# Altium PCB LAB_B3_209_V2.PcbDoc (part 2 of 4)
Units mm, origin at the board's own origin, x right, y up, seen from the top; angles counter-clockwise.
Board outline 94.69 x 88.04 mm, 4 copper layers (L1 [TOP], L2[GND], L3[SIG], L4[BOT]), stack 1.527 mm thick; 372 components, 284 nets, 1235 pads, 485 vias.
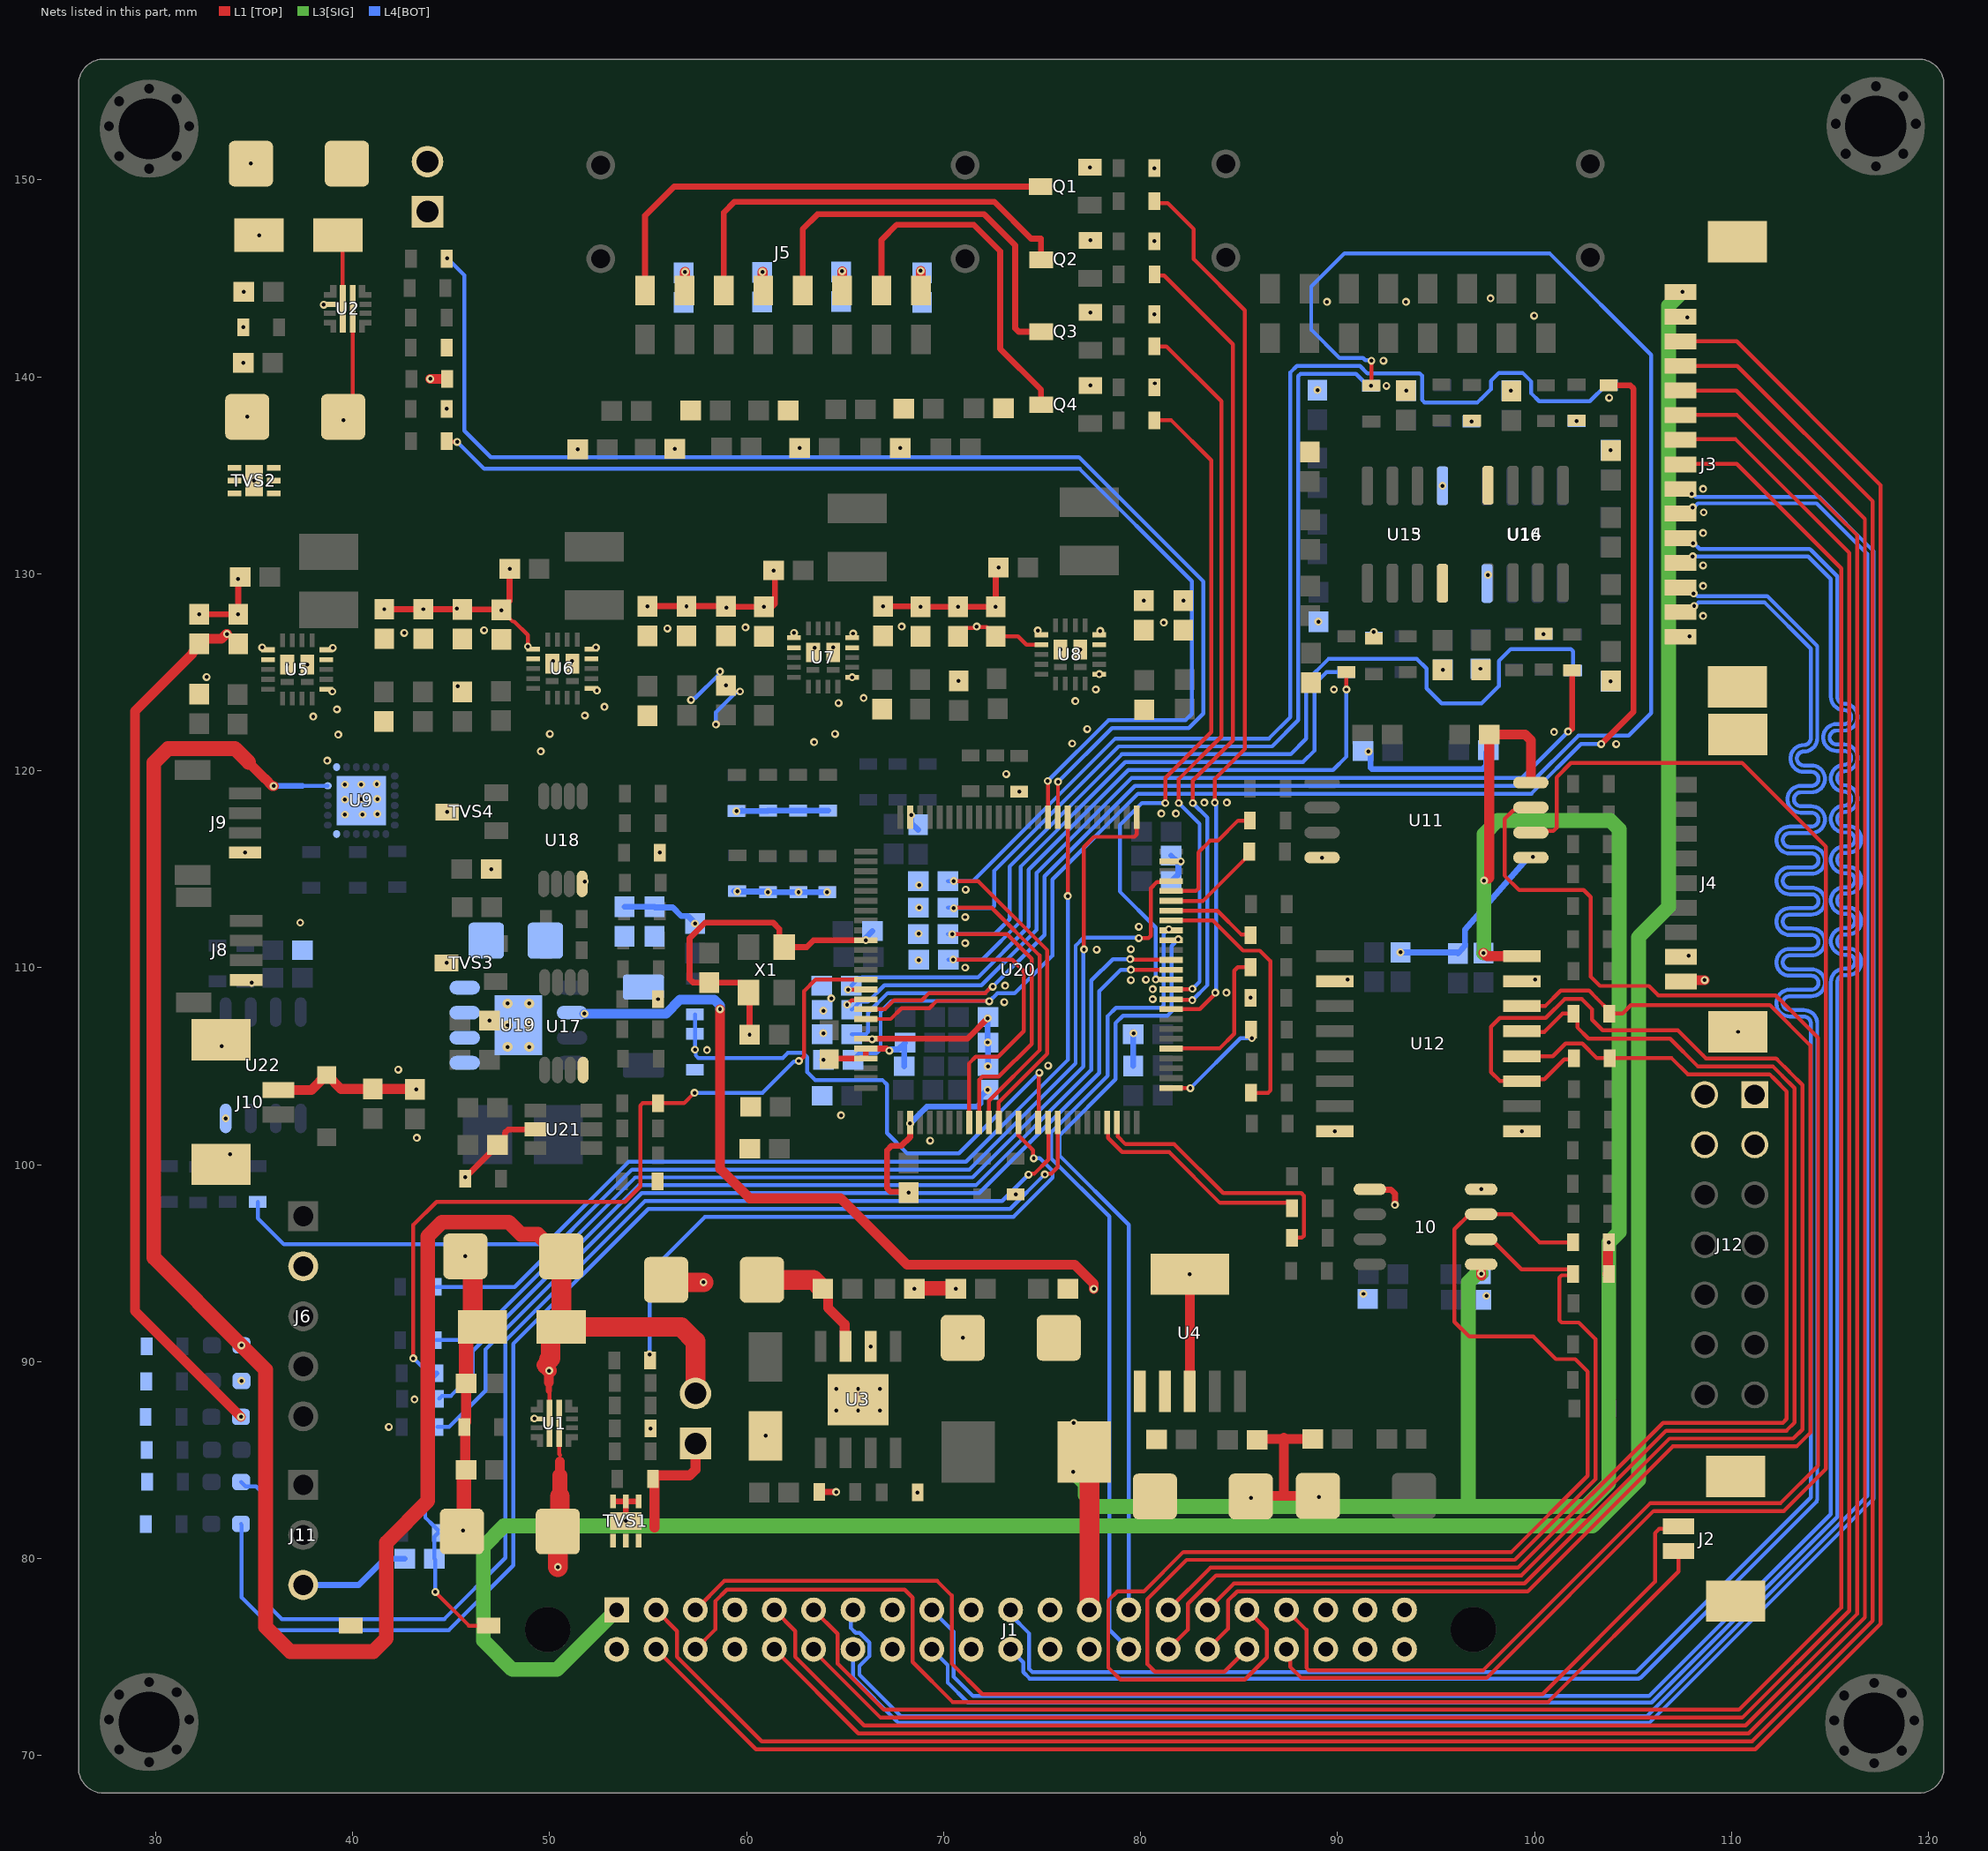
[diagram p4: the nets of this part, all layers, seen from the top]

## Part data
BT1: library part SW-SMD, "Switch", LatestRevisionDate=17-Jul-2002, LatestRevisionNote="Re-released for DXP Platform.", PackageReference=SPST-2, Published=24-Mar-1999, Publisher="Altium Limited"
C1 C2 C8 C9 C12 C13 C17 C18: library part CAP-TAN
C3 C4 C5 C6 C7 C10 C11 C14 C15 C16 C19 C20 C21 C22 C23 C24 C25 C26 C27 C28 C29 C30 C31 C32 C33 C34 C35 C36 C37 C38 C39 C40 C41 C42 C43 C44 C45 C46 C47 C48 C49 C50 C51 C52 C53 C54 C55 C56 C57 C58 C59 C60 C61 C62 C63 C64 C65 C66 C67 C68 C69 C70 C71 C72 C73 C74 C75 C76 C77 C78 C79 C80 C81 C82 C83 C84 C85 C86 C87 C88 C89 C90 C91 C92 C93 C94 C95 C96 C97 C98 C99 C100 C101 C102 C103 C104 C105 C106 C107 C108 C109 C110 C111 C112 C113 C114 C115 C116 C117 C118 C119 C120 C121 C122 C123 C124 C125 C126 C127 C128 C129 C130 C131 C132 C133 C134 C135 C136 C137 C138 C139 C140 C141 C142 C143 C144 C145 C146 C148 C149 C150 C151 C152 C153 C154 C155 C156: library part CAP-CER
D1 D2 D3: library part DIODE-SCHOTTKY
D4: library part D_SCHOTTKY_SMA, "Diode Schottky SMD SMA (DO-214AA)"
D5: library part "Diode S4", "Dán", Chung_Loai=Dán, Don_Vi=Con, Ma_Hang=MH005519, Ten_Linh_Kien="Diode S4 SOD123 ( 1N5819 SOD123)"
DS1 DS2 DS3 DS4 DS5 DS6: library part LED
J1 J4 J5 J7 J12: Package=None, Availability=Unavailable, Price=None
  J1: MP=M80-5114242
  J4: MP=532610971
  J5 J7: MP=M80-6661642
  J12: MP=ESQ-107-48-G-D
J2 J8 J9 J10: library part CON-PLG_4X1-50-RA-SMD, "4 Pins, 1 Row 1.25mm Pitch, right angle Connector, male", Alternate Part Number-1=NA, Case/Package=TH-CON, Crimp Part Number=65300113722DEC, Manufacturer=WE, Manufacturer Part Number=653104131822, Mating Part Number=653004113322, Supplier Part Number-1=653104131822, Supplier-1=WURTH
J3: "Conn Shrouded Header (4 Sides) HDR 15 POS 1.25mm Solder RA Side Entry SMD PicoBladeâ„¢ T/R", Package=None, Check_prices=https://www.snapeda.com/parts/532611571/Molex/view-part/?ref=eda, MF=Molex, MP=532611571, SnapEDA_Link=https://www.snapeda.com/parts/532611571/Molex/view-part/?ref=snap
J6: library part "JP 1x5 2.54 Cai Thang", "1X5 2.54", Chung_Loai=Cắm, Don_Vi=Con, Ma_Hang=MH004006, Ten_Linh_Kien="Jump Đơn Cái 2.54MM 1x20P Thẳng"
J11: library part "JP 1x3 2.54 Cai Thang", "1X3 2.54", Chung_Loai=Cắm, Don_Vi=Con, Ma_Hang=MH004006, Ten_Linh_Kien="Jump Đơn Cái 2.54MM 1x20P Thẳng"
JP1 JP2: library part "JP 1x2 2.54 Duc Thang", "Cắm", Chung_Loai=Cắm, Don_Vi=Con, Ma_Hang=MH000903, Ten_Linh_Kien="Jump Đơn Đực 2.54MM 1x40P Thẳng 11MM"
L1: Package="1608 Murata", Availability=Good, Check_prices=https://www.snapeda.com/parts/LQM18PZ2R2MFHD/Murata/view-part/1498702/?ref=eda, MF=Murata, MP=LQM18PZ2R2MFHD, Price=None, Purchase-URL=https://pricing.snapeda.com/search/part/LQM18PZ2R2MFHD/?ref=eda, SnapEDA_Link=https://www.snapeda.com/parts/LQM18PZ2R2MFHD/Murata/view-part/1498702/?ref=snap
L2 L3 L4 L5 L6 L7: library part INDUCT-SMD, Package="1608 Murata", Availability=Good, Check_prices=https://www.snapeda.com/parts/LQM18PZ2R2MFHD/Murata/view-part/1498702/?ref=eda, MF=Murata, MP=LQM18PZ2R2MFHD, Price=None, Purchase-URL=https://pricing.snapeda.com/search/part/LQM18PZ2R2MFHD/?ref=eda, SnapEDA_Link=https://www.snapeda.com/parts/LQM18PZ2R2MFHD/Murata/view-part/1498702/?ref=snap
Q1 Q2 Q3 Q4: library part 2N7002NXAKR, "MOSFET N-Channel Vds=60V Id=300mA with ESD Protection", Manufacturer=Nexperia, Manufacturer Part Number=2N7002NXAKR
R1 R2 R3 R4 R5 R6 R7 R8 R9 R10 R11 R12 R13 R14 R15 R16 R17 R18 R19 R20 R21 R22 R23 R24 R25 R26 R27 R28 R29 R30 R31 R32 R33 R34 R35 R36 R37 R38 R39 R40 R41 R42 R43 R44 R45 R46 R47 R48 R49 R50 R51 R52 R53 R54 R55 R56 R57 R58 R59 R60 R61 R62 R63 R64 R65 R66 R67 R68 R69 R70 R71 R72 R73 R74 R75 R76 R77 R78 R79 R80 R81 R82 R83 R84 R85 R86 R87 R88 R89 R90 R91 R92 R93 R94 R95 R96 R97 R98 R99 R100 R101 R103 R104 R105 R106 R107 R108 R109 R110 R111 R112 R113 R114 R115 R116 R117 R118 R119 R120 R121 R122 R123 R124 R125 R126 R127 R128 R129 R130 R131 R132 R133 R134 R135 R136 R137 R138 R139 R140 R141 R142 R143 R144 R145 R146 R147 R148 R149: library part RES-SMD
R102: library part RES_1206, "Resistor SMD 1206"
U1 U2: library part TPS259472ARPWR, "2.7-V–23-V, 5.5-A, 28-mΩ True Reverse Current Blocking eFuse with / Input Reverse Polarity Protection", Manufacturer="Texas Instruments", Manufacturer Part Number=TPS259472ARPWR
U13 U14 U15 U16: library part TL072CDT, "Dual JFET Low-Noise Operational Amplifiers", Manufacturer=STMicroelectronics, Manufacturer Part Number=TL072CDT
U20: "ARM Cortex-M4 32-bit MCU+FPU, 210 DMIPS, 1024 kB Flash, 192 kB Internal RAM, 82 I/Os, 100-pin LQFP, -40 to 105 degC, Tray", I/Os (High Current)=82, Manufacturer=STMicroelectronics, Operating Frequency(F) (Processor speed) (MHz)=168, Supplier Part Number 1=STM32F407VGT7-ND, Supply Voltage(Vcc) max (V)=3.6, Supply Voltage(Vcc) min (V)=1.8, ComponentLink1Description="Manufacturer URL", ComponentLink1URL=http://www.st.com/web/en/home.html, ComponentLink2Description=Datasheet, ComponentLink2URL=http://www.st.com/st-web-ui/static/active/en/resource/technical/document/datasheet/DM00037051.pdf, ComponentLink3Description="Package Specification", ComponentLink3URL=http://www.st.com/st-web-ui/static/active/en/resource/technical/document/data_brief/DM00071938.pdf, Core="ARM Cortex-M4", D/A Converter=2x12-bit, DatasheetVersion="Rev. 4", FLASH Size (Prog) (kB)=1024, Internal RAM Size (kB)=192, Mounting Technology="Surface Mount", PackageDescription="100-Pin Low Profile Quad Flat Package, 14 x 14 mm Body, 0.5 mm Pitch", PackageReference=LQFP100, PackageVersion="Rev. 1, 06/2013", Packing=Tray, PartNumber=STM32F407VGT7, Supplier 1=Digi-Key, Supplier 2=Farnell, Supplier 3=Newark, Supplier 4=Newark, Supplier 5=Mouser, Supplier Part Number 2=2333298, Supplier Part Number 3=99W9914, Supplier Part Number 4=48W6905, Supplier Part Number 5=511-STM32F407VGT7
X1: library part CRYSTAL-4POS, "Crystal, 8 MHz, -30 to 85 degC, 3.2 x 2.5 x 0.9 mm SMD"

## Via types
v1: diameter 0.4, hole 0.2, L1 [TOP] to L4[BOT], tented both sides, 297 vias
v2: diameter 0.4, hole 0.2, L1 [TOP] to L4[BOT], 66 vias
v3: diameter 0.4, hole 0.2, L1 [TOP] to L2[GND], tented both sides, 66 vias
v4: diameter 0.4, hole 0.2, L2[GND] to L4[BOT], tented both sides, 14 vias
v5: diameter 0.5, hole 0.2, L1 [TOP] to L4[BOT], tented both sides, 12 vias
v6: diameter 0.4, hole 0.2, L3[SIG] to L4[BOT], 10 vias
v7: diameter 0.4, hole 0.2, L1 [TOP] to L3[SIG], tented both sides, 9 vias
v8: diameter 0.4, hole 0.2, L1 [TOP] to L2[GND], 6 vias
v9: diameter 0.4, hole 0.2, L3[SIG] to L4[BOT], tented both sides, 3 vias
v10: diameter 0.4, hole 0.2, L2[GND] to L4[BOT], 2 vias

## Nets (pads, with @x,y where several pads share a name; then routed paths per layer and width w, separated by ;. In a path a pad name is that pad's centre, name@x,y a point inside that pad or via, vN(x,y) a via of type N, cw(c..) or ccw(c..) an arc to the next point about the centre after c; other vN are vias at no path point)
+5v: 10.1 C7.1 C8.1 C12.1 C16.2 C17.1 C71.2 C75.2 C79.2 C121.1 C154.1 D4.K DS2.A J1.13 JP2.1 L1.2 R9.2 R12.2 R42.2 R43.2 R102.1 TVS2.4 TVS2.5 TVS2.6 U2.5 U4.1 U4.2 U11.8 U12.16 U19.6 | length 156.6
  L1 [TOP] w0.2: v7(39.526,137.799) 39.997,138.27 U2.5@39.997,143.336
  L1 [TOP] w0.3: U2.5@39.997,143.336 U2.5@39.997,143.459 ; R9.2@63.691,83.388 v1(64.541,83.388)
  L1 [TOP] w0.5: v7(43.942,139.903) 43.944,139.905 44.753,139.905 44.754,139.907 R12.2@44.803,139.907 ; v1(58.649,107.899) 58.649,99.797 60.147,98.298 64.77,98.298 68.148,94.92 76.657,94.92 77.622,93.955 v1(77.622,93.701) ; L1.2@77.143,85.42 L1.2@77.4,85.164 ; 10.1@97.288,94.945 v1(97.288,94.474) 97.288,94.381 v1@97.307,94.361 ; v1(97.409,110.757) 97.575,110.592 U12.16@99.365,110.592 ; 97.663,114.529 97.702,114.567 C79.2@97.702,121.844 99.521,121.844 99.813,121.551 U11.8@99.813,119.405 ; R43.2@103.695,94.463 103.721,94.489 103.721,96.013 v1(103.771,96.063)
  L1 [TOP] w1: J1.13@77.4,77.4 L1.2@77.4,85.164
  L3[SIG] w0.75: v1(76.581,84.404) 77.197,83.788 77.197,83.217 77.763,82.652 96.635,82.652 ; v1(97.288,94.474) 97.074,94.474 96.635,94.035 96.635,82.652 ; v1(97.409,110.757) 97.434,110.783 97.434,116.789 98.12,117.475 103.853,117.475 104.292,117.036 104.292,96.584 v1(103.771,96.063) 103.771,83.831 102.592,82.652 96.635,82.652
  L4[BOT] w0.5: v9(51.765,107.671) 55.907,107.671 56.619,108.383 58.356,108.383 58.649,108.09 v1(58.649,107.899)
  other v1: 76.606,86.893 34.354,89.027 97.434,114.427
+5V_CAM: J1.1 J3.15 | length 134.7
  L3[SIG] w0.75: J1.1@53.4,77.4 50.371,74.371 48.108,74.371 46.634,75.844 46.634,80.62 47.676,81.661 102.945,81.661 105.283,83.999 105.283,111.557 106.807,113.081 106.807,143.612 v1(107.518,144.323)
+12V: C2.1 C6.2 C9.1 D1.2 DS1.A JP1.2 U1.6 U3.7 U9.23 | length 117.3
  L1 [TOP] w0.2: 49.962,88.519 49.987,88.494 U1.6@49.987,86.868
  L1 [TOP] w0.3: 49.962,88.519 49.962,88.951
  L1 [TOP] w0.5: 34.722,120.421 35.544,119.599 35.55,119.599 35.922,119.228 v2(35.992,119.228) ; 49.962,88.951 v1@49.962,89.51 ; C6.2@63.868,93.701 63.885,93.701 64.135,93.451 64.135,92.735 64.974,91.896 64.974,90.83 U3.7@65.024,90.78
  L1 [TOP] w0.75: 34.722,120.421 34.722,120.436 34.025,121.133 30.632,121.133 29.907,120.408 29.907,95.277 v1(34.354,90.83) 35.585,89.599 35.585,76.53 36.83,75.286 41.046,75.286 41.707,75.946 41.707,80.823 43.815,82.931 43.815,96.372 44.529,97.087 47.922,97.087 48.539,96.469 49.409,96.469 49.742,96.137 49.848,96.137 50.593,95.392 C2.1@50.593,95.352 ; 49.697,89.829 v1(49.98,89.545)
  L1 [TOP] w1: 49.962,90.094 50.052,90.184 50.052,91.42 50.402,91.77 D1.2@50.59,91.77 ; C2.1@50.593,95.352 50.592,95.35 50.592,91.772 D1.2@50.59,91.77 ; JP1.2@57.404,88.392 57.404,91.032 56.666,91.77 D1.2@50.59,91.77 ; C9.1@60.779,94.158 63.385,94.158 63.843,93.701 C6.2@63.868,93.701
  L4[BOT] w0.2: 37.439,119.241 U9.23@38.737,119.241
  L4[BOT] w0.3: v2(35.992,119.228) 36.005,119.241 37.439,119.241
+12V_EXP: C1.1 J1.19 J1.20 J1.21 J4.1 J12.02 J12.04 JP1.1 R2.1 TVS1.4 TVS1.5 TVS1.6 U1.5 | length 15
  L1 [TOP] w0.2: U1.5@50.487,86.868 50.487,85.301 50.521,85.268
  L1 [TOP] w0.5: C1.1@50.416,81.382 50.419,81.378 C1.1@50.797,81.001 ; 50.521,84.226 50.521,84.938 ; 55.321,81.583 55.321,84.226 57.111,84.226 57.404,84.519 JP1.1@57.404,85.852 ; J4.1@107.43,109.3 107.502,109.372 v1(108.636,109.372)
  L1 [TOP] w0.75: 50.521,83.16 50.521,84.226
  L1 [TOP] w1: C1.1@50.416,81.382 50.521,81.487 50.521,83.16 ; v1(50.419,79.578) 50.419,81.001 C1.1@50.419,81.378
CAM_CK_N: J1.7 J3.6 | length 118.4
  L4[BOT] w0.2: J1.7@65.4,77.4 65.299,77.299 65.299,76.471 65.541,76.229 65.743,76.229 66.229,75.743 66.229,75.057 65.727,74.555 65.727,74.105 67.833,71.999 105.705,71.999 116.891,83.185 116.891,131.008 114.317,133.582 108.291,133.582 v1@108.126,133.417
  other v1: 108.026,133.375
CAM_CK_P: J1.28 J3.7 | length 117.5
  L4[BOT] w0.2: J1.28@65.4,75.4 65.4,73.97 67.602,71.768 67.698,71.672 105.84,71.672 117.218,83.05 117.218,131.143 114.452,133.909 108.182,133.909 108.03,134.061 v1(107.975,134.061)
CAM_D0_N: J1.11 J3.2 | length 117.3
  L4[BOT] w0.2: J1.11@73.4,77.4 73.4,77.146 74.346,76.2 74.346,74.402 74.507,74.241 105.153,74.241 114.024,83.112 114.024,106.909 114.024,107.172 ccw(c113.67,107.172) 113.67,107.526 112.955,107.526 cw(c112.955,108.207) 112.955,108.888 114.059,108.888 ccw(c114.059,109.242) 114.059,109.596 112.955,109.596 cw(c112.955,110.277) 112.955,110.958 114.059,110.958 ccw(c114.059,111.312) 114.059,111.666 112.955,111.666 cw(c112.955,112.347) 112.955,113.028 114.059,113.028 ccw(c114.059,113.382) 114.059,113.736 112.955,113.736 cw(c112.955,114.417) 112.955,115.098 114.059,115.098 ccw(c114.059,115.452) 114.059,115.806 112.955,115.806 cw(c112.955,116.487) 112.955,117.168 114.059,117.168 ccw(c114.059,117.522) 114.059,117.876 113.518,117.876 cw(c113.518,118.557) 113.518,119.238 114.059,119.238 ccw(c114.059,119.592) 114.059,119.946 113.67,119.946 cw(c113.67,120.627) 113.67,121.308 ccw(c113.67,121.662) 114.024,121.662 114.024,122.707 114.024,126.204 111.683,128.544 108.322,128.544 108.149,128.372 v1(108.102,128.372)
CAM_D0_P: J1.32 J3.3 | length 116.8
  L4[BOT] w0.2: J1.32@73.4,75.4 73.4,75.378 74.046,74.732 74.046,74.239 74.371,73.914 105.288,73.914 105.329,73.955 105.375,73.955 114.31,82.89 114.31,82.936 114.351,82.977 114.351,106.909 114.351,107.172 ccw(c113.67,107.172) 113.67,107.853 112.955,107.853 cw(c112.955,108.207) 112.955,108.561 114.059,108.561 ccw(c114.059,109.242) 114.059,109.923 112.955,109.923 cw(c112.955,110.277) 112.955,110.631 114.059,110.631 ccw(c114.059,111.312) 114.059,111.993 112.955,111.993 cw(c112.955,112.347) 112.955,112.701 114.059,112.701 ccw(c114.059,113.382) 114.059,114.063 112.955,114.063 cw(c112.955,114.417) 112.955,114.771 114.059,114.771 ccw(c114.059,115.452) 114.059,116.133 112.955,116.133 cw(c112.955,116.487) 112.955,116.841 114.059,116.841 ccw(c114.059,117.522) 114.059,118.203 113.518,118.203 cw(c113.518,118.557) 113.518,118.911 114.059,118.911 ccw(c114.059,119.592) 114.059,120.273 113.67,120.273 cw(c113.67,120.627) 113.67,120.981 ccw(c113.67,121.662) 114.351,121.662 114.351,122.707 114.351,126.34 111.819,128.871 108.266,128.871 108.131,129.007 v1(108.077,129.007)
CAM_D1_N: J1.9 J3.4 | length 118.1
  L4[BOT] w0.2: J1.9@69.4,77.4 70.51,76.29 70.51,74.006 71.494,73.022 105.808,73.022 115.04,82.254 115.04,107.975 115.04,109.274 cw(c115.721,109.274) 115.721,109.955 115.91,109.955 ccw(c115.91,110.309) 115.91,110.663 115.721,110.663 cw(c115.721,111.344) 115.721,112.025 115.91,112.025 ccw(c115.91,112.379) 115.91,112.733 115.721,112.733 cw(c115.721,113.414) 115.721,114.095 115.91,114.095 ccw(c115.91,114.449) 115.91,114.803 115.721,114.803 cw(c115.721,115.484) 115.721,116.165 115.91,116.165 ccw(c115.91,116.519) 115.91,116.873 115.721,116.873 cw(c115.721,117.554) 115.721,118.235 ccw(c115.721,118.589) 115.721,118.943 cw(c115.721,119.624) 115.721,120.305 ccw(c115.721,120.659) 115.721,121.013 115.332,121.013 cw(c115.332,121.694) 115.332,122.375 115.721,122.375 ccw(c115.721,122.729) 115.721,123.083 cw(c115.721,123.764) 115.04,123.764 115.04,126.441 115.04,129.735 113.888,130.886 v1(108.026,130.886)
CAM_D1_P: J1.30 J3.5 | length 117.8
  L4[BOT] w0.2: J1.30@69.4,75.4 70.206,74.594 70.206,73.711 71.222,72.695 105.943,72.695 115.367,82.118 115.367,107.975 115.367,109.274 cw(c115.721,109.274) 115.721,109.628 115.91,109.628 ccw(c115.91,110.309) 115.91,110.99 115.721,110.99 cw(c115.721,111.344) 115.721,111.698 115.91,111.698 ccw(c115.91,112.379) 115.91,113.06 115.721,113.06 cw(c115.721,113.414) 115.721,113.768 115.91,113.768 ccw(c115.91,114.449) 115.91,115.13 115.721,115.13 cw(c115.721,115.484) 115.721,115.838 115.91,115.838 ccw(c115.91,116.519) 115.91,117.2 115.721,117.2 cw(c115.721,117.554) 115.721,117.908 ccw(c115.721,118.589) 115.721,119.27 cw(c115.721,119.624) 115.721,119.978 ccw(c115.721,120.659) 115.721,121.34 115.332,121.34 cw(c115.332,121.694) 115.332,122.048 115.721,122.048 ccw(c115.721,122.729) 115.721,123.41 cw(c115.721,123.764) 115.367,123.764 115.367,126.441 115.367,129.87 114.024,131.213 114.019,131.213 113.965,131.267 108.385,131.267 108.106,131.547 v1(108.052,131.547)
CAM_IO_0: J1.27 J3.9 | length 121.2
  L1 [TOP] w0.2: J1.27@63.4,75.4 63.4,75.328 66.801,71.927 110.541,71.927 115.97,77.355 115.97,131.07 110.208,136.832 J3.9@107.209,136.832
CAM_IO_1: J1.6 J3.8 | length 120.6
  L1 [TOP] w0.2: J1.6@63.4,77.4 64.618,76.182 64.618,74.676 66.967,72.327 110.376,72.327 115.57,77.521 115.57,130.277 110.264,135.582 J3.8@107.209,135.582
CAM_SCL: J1.5 J3.10 | length 127
  L1 [TOP] w0.2: J1.5@61.4,77.4 62.471,76.329 62.471,75.015 65.96,71.527 110.707,71.527 116.37,77.189 116.37,131.966 110.254,138.082 J3.10@107.209,138.082
CAM_SDA: J1.26 J3.11 | length 127.4
  L1 [TOP] w0.2: J1.26@61.4,75.4 65.673,71.127 110.873,71.127 116.77,77.024 116.77,132.785 110.245,139.31 J3.11@107.404,139.31
CAM_SEL_0: J1.24 J2.1 | length 60.1
  L1 [TOP] w0.2: J1.24@57.4,75.4 58.404,76.404 58.404,77.838 59.001,78.435 68.021,78.435 68.428,78.029 68.428,74.752 70.453,72.727 100.692,72.727 107.313,79.347 J2.1@107.313,80.396
CAM_SEL_1: J1.3 J2.2 | length 59.9
  L1 [TOP] w0.2: J1.3@57.4,77.4 58.867,78.867 69.672,78.867 70.409,78.13 70.409,74.676 71.958,73.127 100.406,73.127 106.121,78.842 106.121,81.305 106.33,81.514 107.181,81.514 J2.2@107.313,81.646
CM4_SCL: J1.2 J3.12 | length 137.3
  L1 [TOP] w0.2: J1.2@55.4,77.4 56.471,76.329 56.471,75.015 60.76,70.727 111.039,70.727 117.17,76.858 117.17,133.68 110.291,140.56 J3.12@107.404,140.56
CM4_SDA: J1.23 J3.13 | length 137.9
  L1 [TOP] w0.2: J1.23@55.4,75.4 60.473,70.327 111.204,70.327 117.57,76.692 117.57,134.5 110.26,141.81 J3.13@107.404,141.81
"EXP UART RX": R113.2 U20.64 | length 49.8
  L1 [TOP] w0.2: v1(79.477,110.439) 79.496,110.42 81.53,110.42 U20.64@81.55,110.4
  L4[BOT] w0.2: R113.2@44.391,88.125 44.535,88.269 44.988,88.269 46.1,89.382 46.1,90.548 54.51,98.958 71.639,98.958 77.502,104.821 77.502,109.353 78.588,110.439 v1(79.477,110.439)
"EXP UART TX": R114.2 U20.63 | length 50.5
  L1 [TOP] w0.2: v1(79.502,109.906) 79.505,109.903 81.547,109.903 U20.63@81.55,109.9
  L4[BOT] w0.2: R114.2@44.31,86.69 44.897,86.69 46.741,88.535 46.741,90.624 54.676,98.558 71.805,98.558 77.902,104.655 77.902,108.814 78.994,109.906 v1(79.502,109.906)
GND: 10.4 10.5 BT1.2 C1.2 C2.2 C3.1 C4.1 C8.2 C9.2 C10.1 C11.2 C12.2 C13.2 C14.1 C15.1 C17.2 C18.2 C20.1 C21.1 C22.2 C23.2 C24.2 C25.2 C26.2 C27.2 C28.2 C29.2 C30.1 C31.1 C32.1 C33.1 C37.2 C38.2 C42.1 C43.1 C44.1 C45.1 C46.2 C47.2 C48.2 C49.2 C50.2 C51.2 C52.2 C53.2 C54.1 C55.1 C56.1 C57.1 C61.2 C62.2 C66.1 C67.1 C68.1 C69.1 C70.2 C73.1 C74.1 C77.1 C78.1 C81.1 C82.1 C83.2 C84.2 C86.2 C88.2 C89.2 C90.2 C91.2 C92.2 C93.2 C96.2 C97.2 C98.2 C99.2 C100.2 C102.2 C104.2 C105.2 C106.2 C107.2 C108.2 C110.2 C112.2 C113.2 C114.2 C115.2 C116.2 C119.2 C120.2 C121.2 C122.2 C125.2 C128.2 C129.2 C130.2 C134.2 C135.2 C139.2 C140.2 C141.2 C142.2 C144.2 C145.2 C146.2 C148.2 C149.2 C150.2 C151.2 C152.2 C153.2 C154.2 C156.2 D1.1 D2.1 D3.1 J1.34 J1.40 J1.41 J1.42 J2.3 J2.4 J3.S1 J3.S2 J4.S1 J4.S2 J6.2 J8.1 J9.1 J10.3 J10.4 J11.3 Q1.2 Q2.2 Q3.2 Q4.2 R5.1 R6.2 R7.1 R10.1 R11.1 R16.1 R17.1 R18.1 R19.1 R20.1 R25.1 R26.1 R27.1 R28.1 R33.1 R34.1 R35.1 R36.1 R55.2 R62.1 R63.1 R64.1 R65.1 R70.2 R71.1 R76.1 R77.2 R82.2 R83.1 R88.1 R89.2 R98.1 R101.1 R104.1 R108.1 R109.1 R111.1 R112.2 R119.1 R138.2 TVS1.1 TVS1.2 TVS1.3 TVS1.7 TVS2.1 TVS2.2 TVS2.3 TVS2.7 TVS3.3 TVS4.3 U1.8 U2.8 U3.6 U3.9 U4.3 U4.6 U5.1 U5.5 U5.10 U5.21 U5.22 U6.1 U6.5 U6.10 U6.21 U6.22 U7.1 U7.5 U7.10 U7.21 U7.22 U8.1 U8.5 U8.10 U8.21 U8.22 U9.1 U9.18 U9.25 U11.4 U11.5 U12.2 U12.8 U12.9 U12.15 U13.4 U14.4 U15.4 U16.4 U17.4 U18.4 U19.1 U19.2 U19.9 U20.10 U20.20 U20.27 U20.74 U20.99 U21.2 U22.4 X1.2 X1.4 | length 158.1
  L1 [TOP] w0.2: v3(38.532,143.662) 38.543,143.673 38.836,143.673 U2.8@38.847,143.684 ; C26.2@47.549,128.182 v3(47.549,128.157) 48.126,127.579 48.206,127.579 48.895,126.891 v3(48.895,126.314)
  L1 [TOP] w0.3: v3(32.207,127.953) v3(34.188,127.953) v3(34.188,129.743) C30.1@34.29,129.845 ; BT1.2@39.7,76.6 BT1.2@39.9,76.6 ; v3(41.605,128.207) v3(43.586,128.207) 45.554,128.207 C27.2@45.568,128.194 47.537,128.194 C26.2@47.549,128.182 47.549,128.207 47.967,128.625 v3(47.967,130.251) ; R108.1@45.711,99.3 v3(45.711,99.375) 45.711,99.45 45.861,99.6 45.97,99.6 46.975,100.605 46.975,100.65 47.325,101 C148.2@47.35,101 47.375,101 47.725,101.35 47.725,101.614 47.901,101.789 U21.2@49.264,101.789 ; TVS1.3@53.223,82.91 TVS1.2@53.873,82.91 ; v3(53.873,81.915) TVS1.2@53.873,82.91 ; TVS1.1@54.523,82.91 TVS1.2@53.873,82.91 ; v3(54.966,128.36) v3(56.947,128.36) 58.915,128.36 v3(58.979,128.295) 59.018,128.334 v3(60.884,128.334) 60.897,128.321 61.267,128.321 61.443,128.497 61.443,130.111 v3(61.378,130.175) ; C152.2@60.083,100.736 C152.2@60.159,100.813 ; v1(60.15,106.6) 60.15,108.7 X1.4@60.1,108.75 60.1,108.85 59.7,109.25 C151.2@58.1,109.25 57.276,109.25 57.1,109.426 57.1,111.5 57.9,112.3 61.334,112.3 61.66,111.974 61.66,111.29 X1.2@61.9,111.05 63.05,111.05 63.4,111.4 v1(66.05,111.4) ; U20.20@66.05,106.4 71.201,106.4 v1(72.238,107.436) ; v3(66.929,128.346) 68.822,128.346 v3(68.834,128.334) v3(70.739,128.334) v3(72.644,128.334) 72.644,130.188 v3(72.783,130.327) ; v3(68.224,98.589) 68.186,98.628 67.308,98.628 67.132,98.804 67.132,100.738 67.358,100.964 67.859,100.964 68.3,101.405 U20.27@68.3,102.15 ; U20.74@81.55,115.4 v1(82.045,115.4) ; 10.5@91.638,98.755 91.663,98.73 92.71,98.73 92.913,98.527 v1(92.913,97.968)
  L1 [TOP] w0.5: C4.1@45.757,84.506 45.713,84.55 45.713,86.646 R7.1@45.669,86.69 45.669,86.84 45.757,86.928 C3.1@45.757,88.9 ; U4.3@82.499,88.49 v1(82.499,94.44) ; C17.2@85.62,83.185 87.274,83.185 ; C20.1@85.916,86.03 85.967,86.081 87.224,86.081 87.274,86.131 87.274,86.081 ; C21.1@88.734,86.081 87.274,86.081 ; C18.2@89.002,83.185 87.274,83.185 ; 87.274,83.185 87.274,86.081
  L1 [TOP] w0.75: C1.2@45.546,81.382 v1(45.599,81.435) 45.652,81.488 45.652,84.4 C4.1@45.757,84.506 ; C3.1@45.757,88.9 45.757,91.295 46.232,91.77 46.451,91.77 D1.1@46.59,91.77 ; v3(68.517,93.701) 68.543,93.726 70.599,93.726 C11.2@70.624,93.751
  L1 [TOP] w1: v1(45.723,95.352) 46.101,94.974 46.101,92.12 D1.1@46.451,91.77 ; C9.2@55.909,94.158 56.036,94.031 v1(57.81,94.031)
  L4[BOT] w0.2: v6(57.175,123.596) 57.23,123.596 57.323,123.69 57.389,123.69 58.61,124.911 58.61,125.006 v10(58.649,125.044) ; v6(58.445,122.352) 58.445,122.98 59.455,123.99 59.626,123.99 v6(59.665,124.028)
  L4[BOT] w0.3: J11.3@37.49,78.664 40.31,78.664 41.646,80 C149.2@42.65,80 ; C121.2@53.797,113.094 C154.2@55.321,113.094 55.347,113.069 56.248,113.069 56.692,112.625 57.029,112.625 57.379,112.275 v4(57.379,112.25) ; R33.1@59.362,113.894 R33.1@59.512,113.894 v4(59.525,113.881) 59.538,113.868 61.062,113.868 v4(61.087,113.843) v4(62.636,113.843) v4(64.084,113.843) ; R28.1@59.787,117.978 v4(59.487,117.958) 61.062,117.958 ccw(c61.062,117.983) R26.1@61.087,117.983 R34.1@62.611,117.983 R36.1@64.135,117.983 ; v1(66.05,111.4) 66.05,111.528 C145.2@66.384,111.862 ; v1(68.3,102.094) 68.843,102.638 69.156,102.95 71.699,102.95 71.875,103.126 71.875,103.45 72.225,103.8 v1(72.237,103.8) C140.2@72.25,103.8 ; v1(68.35,117.754) 68.357,117.747 68.357,117.356 C130.2@68.707,117.006 ; v1(72.238,106.212) v1(72.238,107.436) 72.238,107.488 C146.2@72.25,107.5 ; v1(72.25,105) C141.2@72.25,106.2 ; C129.2@79.578,106.741 v4(79.638,106.681) 79.629,106.672 C135.2@79.629,105.017 ; C134.2@81.547,114.402 81.572,114.402 81.922,114.752 81.922,115.212 81.993,115.282 81.993,115.348 v1(82.045,115.4) ; C144.2@81.55,115.7 81.85,115.4 C144.2@81.993,115.4 ; v4(91.567,120.98) 91.675,120.873 91.675,120.159 91.743,120.091 97.36,120.091 97.536,120.267 97.536,120.941 C81.1@97.651,121.056 ; v1(93.193,110.783) 96.063,110.783 C77.1@96.114,110.732 96.464,111.107 96.464,111.928 99.601,115.518 99.688,115.605 v1(99.924,115.621)
  other v1: 41.834,86.69 43.14,88.087 97.561,93.345 91.313,93.447 97.288,98.755 33.782,100.536 43.256,101.371 89.865,101.702 99.365,101.702 64.795,102.514 42.316,104.826 75.311,105.029 57.988,105.826 33.35,106.02 66.37,106.375 46.953,107.315 63.893,107.823 73.076,108.255 80.62,108.407 64.295,108.45 84.353,108.737 80.62,108.915 73.127,109.101 79.502,109.372 80.264,109.398 68.732,110.388 77.775,110.922 79.502,110.947 68.732,111.735 79.908,112.09 68.758,113.055 68.758,114.198 89.213,115.595 81.051,117.831 81.788,117.831 83.236,118.389 84.379,118.389 104.14,121.361 100.99,121.971 89.814,124.13 103.861,124.548 95.352,125.132 97.257,125.183 36.678,125.4 37.694,125.4 50.165,125.565 51.13,125.565 75.925,126.16 76.941,126.16 63.449,126.238 64.389,126.263 100.457,126.949 103.861,136.284 51.422,136.322 56.351,136.347 62.699,136.398 67.806,136.398 96.799,137.744 102.133,137.757 103.784,138.938 93.497,139.307 98.806,139.307 88.976,139.332 92.481,139.548 77.45,139.568 80.721,139.675 92.329,140.818 99.974,143.104 80.696,143.18 77.455,143.271 89.459,143.815 93.472,143.815 97.765,143.993 80.696,146.888 77.45,146.934 80.696,150.597 77.425,150.642
  other v2: 71.095,110.007 71.095,111.252 71.095,112.573 71.12,113.97 39.605,117.78 40.507,117.78 41.25,117.805 39.605,118.542 40.437,118.567 41.25,118.567 39.605,119.304 40.437,119.304 41.224,119.329 73.177,119.837 38.71,120.523 49.55,120.994 76.53,121.387 63.424,121.463 39.268,121.844 50.013,121.869 64.491,121.869 77.292,122.123 37.998,122.758 51.791,122.809 39.202,123.122 52.781,123.254 64.668,123.444 76.683,123.546 65.938,123.698 77.724,124.13
  other v3: 85.598,83.083 89.052,83.134 68.682,83.363 60.96,86.24 55.13,86.614 49.228,87.118 66.294,90.78 70.971,91.211 70.624,93.701 73.66,98.489 55.499,108.407 85.586,108.483 90.5,109.398 100.025,109.398 44.769,110.246 51.775,114.386 47.029,115.011 34.544,115.849 55.601,115.849 44.8,117.912 73.838,118.948 38.964,124.028 52.4,124.079 65.356,124.755 77.908,124.906 38.989,126.238 35.408,126.263 52.349,126.263 65.405,126.975 62.408,127 77.953,127.102 74.778,127.127 45.288,128.245 80.162,128.639 82.169,128.639 34.997,134.732 34.649,137.973 44.765,138.383 34.439,140.72 34.453,142.523 34.465,144.326 35.247,147.197 34.837,150.829
  other v4: 33.553,102.354 63.893,105.334 63.893,106.675 89.027,127.571 97.638,129.946 95.326,134.474
  other v5: 64.559,87.53 65.659,87.53 66.759,87.53 64.559,88.63 65.659,88.63 66.759,88.63 47.862,105.986 48.962,105.986 47.862,107.086 48.962,107.086 47.862,108.186 48.962,108.186
  other v6: 69.317,101.219
  other v8: 110.33,106.75 34.874,109.245 45.339,124.308 58.953,124.333 70.764,124.575 32.588,124.765
  other v9: 91.839,127.051
  other v10: 37.338,112.293
GND_12_EXP: J4.2 J12.01 J12.03
  other v1: 107.823,110.617
GND_CAM: J1.4 J1.8 J1.10 J1.12 J1.22 J1.25 J1.29 J1.31 J1.33 J3.1 J3.14
  other v1: 107.874,126.822 108.56,127.864 108.56,129.388 108.56,130.429 108.56,132.08 108.585,133.121 108.56,134.315 107.747,143.027
HEATER_1_A: C13.1 C22.1 C23.1 C24.1 C25.1 C26.1 C27.1 C28.1 C29.1 C46.1 C47.1 C48.1 C49.1 C50.1 C51.1 C52.1 C53.1 C83.1 C84.1 C122.1 C139.1 D3.2 DS3.A J5.10 J5.12 J5.14 J5.16 JP2.2 U2.6 U5.4 U5.11 U6.4 U6.11 U7.4 U7.11 U8.4 U8.11 | length 57
  L1 [TOP] w0.2: D3.2@39.247,147.197 39.497,146.946 U2.6@39.497,143.459 ; C50.1@70.688,126.834 71.113,127.259 71.554,127.259 71.625,127.33 v1(71.679,127.33) 71.71,127.299 72.179,127.299 72.219,127.259 72.244,127.259 72.644,126.859 C51.1@72.644,126.834 73.775,126.834 74.203,126.406 U8.11@74.958,126.406
  L1 [TOP] w0.5: v1(33.619,126.949) 33.592,126.949 33.343,126.701 32.557,126.701 32.429,126.573 32.429,126.56 31.857,125.988 31.857,125.938 28.956,123.037 28.956,92.571 v1(34.329,87.198) ; J5.10@56.845,144.399 56.871,144.425 v1(56.871,145.339) ; v1(60.808,145.339) 60.808,144.436 J5.12@60.845,144.399 ; J5.14@64.845,144.399 64.846,144.401 v1(64.846,145.364) ; v1(68.834,145.39) 68.834,144.41 J5.16@68.845,144.399
  other v1: 42.621,127 46.672,127.139 55.982,127.229 59.944,127.279 67.869,127.33 81.178,127.533
HEATER_1_B: J5.9 Q1.3 | length 24.5
  L1 [TOP] w0.3: J5.9@54.845,144.399 54.845,148.19 56.317,149.662 Q1.3@74.925,149.662
HEATER_2_B: J5.11 Q2.3 | length 22.1
  L1 [TOP] w0.3: J5.11@58.845,144.399 58.845,148.354 59.385,148.895 72.568,148.895 74.442,147.021 74.95,147.021 Q2.3@74.95,145.954
HEATER_3_B: J5.13 Q3.3 | length 20.9
  L1 [TOP] w0.3: J5.13@62.845,144.399 62.845,147.503 63.602,148.26 72.06,148.26 73.635,146.685 73.635,142.467 73.81,142.291 Q3.3@75.386,142.291
HEATER_4_B: J5.15 Q4.3 | length 18.1
  L1 [TOP] w0.3: J5.15@66.845,144.399 66.845,146.956 67.615,147.726 71.526,147.726 72.873,146.38 72.873,141.427 74.95,139.35 Q4.3@74.95,138.588
IR_LED_P: C123.1 C124.1 D5.2 J10.1 R102.2 U19.3 U19.4 | length 7.5
  L1 [TOP] w0.2: D5.2@38.659,104.547 D5.2@38.684,104.547 D5.2@38.709,104.547 ; C124.1@43.129,103.849 C124.1@43.155,103.823
  L1 [TOP] w0.5: J10.1@36.225,103.8 37.912,103.8 D5.2@38.659,104.547 ; D5.2@38.709,104.547 39.407,103.849 C123.1@41.021,103.849 C124.1@43.129,103.849
  other v1: 43.231,103.835
ISO_CANH: J1.18 U11.7 | length 81.6
  L1 [TOP] w0.2: J1.18@87.4,77.4 88.417,76.383 88.417,74.457 88.535,74.339 97.396,74.339 105.882,82.826 112.493,82.826 114.396,84.728 114.396,106.443 112.736,108.102 112.239,108.599 106.285,108.599 105.804,109.08 103.315,109.08 102.845,109.55 102.845,113.589 102.489,113.944 99.212,113.944 98.476,114.681 98.476,117.551 98.912,117.988 98.958,117.988 99.105,118.135 U11.7@99.813,118.135
ISO_CANL: J1.39 U11.6 | length 84.1
  L1 [TOP] w0.2: J1.39@87.4,75.4 87.602,75.198 87.602,74.502 88.165,73.939 97.561,73.939 106.045,82.423 112.656,82.423 114.796,84.563 114.796,116.141 110.541,120.396 101.848,120.396 101.117,119.665 101.117,117.108 100.952,116.942 99.865,116.942 U11.6@99.801,116.878
ISO_RS485_R+: J1.37 R46.1 U12.14 | length 72.2
  L1 [TOP] w0.2: J1.37@83.4,75.4 84.43,76.43 84.43,77.864 84.906,78.34 99.657,78.34 107.016,85.7 113.302,85.7 113.996,86.393 113.996,106.058 111.954,108.1 104.893,108.1 104.463,107.671 R46.1@103.784,107.671 103.784,107.821 103.151,108.454 103.151,108.456 102.768,108.839 101.321,108.839 100.533,108.052 U12.14@99.365,108.052
ISO_RS485_R-: J1.36 R46.2 U12.13 | length 70.5
  L1 [TOP] w0.2: J1.36@81.4,75.4 82.398,76.398 82.398,77.711 83.826,79.14 99.325,79.14 106.685,86.5 112.788,86.5 113.196,86.907 113.196,103.891 112.561,104.526 112.561,104.531 112.092,105 108.284,105 106.883,106.401 102.743,106.401 102.169,106.975 102.169,107.47 R46.2@101.969,107.67 101.422,107.67 100.498,106.746 99.635,106.746 99.518,106.629 U12.13@99.365,106.782
ISO_RS485_T+: J1.16 R53.2 U12.11 | length 77.2
  L1 [TOP] w0.2: J1.16@83.4,77.4 84.74,78.74 99.491,78.74 106.85,86.1 113.136,86.1 113.596,86.559 113.596,104.057 112.961,104.692 112.961,104.696 112.316,105.341 112.312,105.341 112.253,105.4 108.705,105.4 108.53,105.576 107.273,106.832 103.448,106.832 102.921,107.36 102.921,107.893 102.393,108.42 101.537,108.42 100.568,107.452 98.231,107.452 97.79,107.01 97.79,104.704 98.232,104.262 99.345,104.262 U12.11@99.365,104.242 99.461,104.337 100.498,104.337 101.511,105.35 101.934,105.35 R53.2@101.994,105.41
ISO_RS485_T-: J1.15 R53.1 U12.12 | length 66.8
  L1 [TOP] w0.2: J1.15@81.4,77.4 83.54,79.54 99.159,79.54 106.519,86.9 112.605,86.9 112.796,87.091 112.796,103.726 112.161,104.36 112.161,104.365 111.929,104.597 107.772,104.597 106.959,105.41 R53.1@103.81,105.41 103.168,105.41 102.418,106.16 101.57,106.16 100.921,105.512 U12.12@99.365,105.512
ISO_SCL: 10.3 J1.17 R42.1 | length 66.7
  L1 [TOP] w0.2: J1.17@85.4,77.4 86.411,76.389 86.411,74.981 85.293,73.863 78.969,73.863 78.359,74.473 78.359,77.876 78.812,78.329 80.158,78.329 82.169,80.34 98.828,80.34 102.692,84.204 102.692,89.503 102.064,90.131 101.08,90.131 99.936,91.275 96.685,91.275 95.936,92.024 95.936,96.723 96.698,97.485 10.3@97.288,97.485 98.831,97.485 100.254,96.063 R42.1@101.956,96.063
ISO_SDA: 10.2 J1.38 R43.1 | length 51.9
  L1 [TOP] w0.2: J1.38@85.4,75.4 84.263,74.263 80.728,74.263 80.34,74.651 80.34,77.946 82.335,79.94 98.994,79.94 103.092,84.039 103.092,84.906 103.092,91.142 102.243,91.991 101.37,91.991 101.252,92.108 101.252,94.269 101.37,94.386 101.8,94.386 101.93,94.517 101.756,94.691 99.337,94.691 97.813,96.215 10.2@97.288,96.215
"LED B": DS6.A U20.42 | length 64.5
  L1 [TOP] w0.2: v1(75.137,99.514) 75.175,99.552 75.473,99.552 75.8,99.879 U20.42@75.8,102.15
  L4[BOT] w0.2: DS6.A@34.329,81.763 34.369,81.723 34.369,78.026 36.017,76.378 44.882,76.378 48.162,79.658 48.162,90.913 55.007,97.758 73.381,97.758 v1(75.137,99.514)
"LED G": DS5.A U20.41 | length 65.1
  L1 [TOP] w0.2: v1(74.311,99.501) 74.349,99.539 74.597,99.539 75.318,100.261 75.318,102.132 U20.41@75.3,102.15
  L4[BOT] w0.2: DS5.A@34.341,83.896 34.562,83.675 35.096,83.675 35.484,83.287 35.484,77.851 36.398,76.937 44.653,76.937 47.752,80.035 47.752,91.068 54.842,98.158 72.968,98.158 v1(74.311,99.501)
"MCU NRST": BT1.1 C149.1 R105.1 R110.2 R117.2 U20.14 | length 55.8
  L1 [TOP] w0.2: v1(43.078,90.17) 43.078,96.942 44.256,98.12 53.82,98.12 54.6,98.9 54.6,103.007 54.717,103.124 R105.1@55.499,103.124 56.82,103.124 v1(57.353,103.657) ; v1(44.196,78.308) 45.904,76.6 BT1.1@46.9,76.6 ; v1(62.657,105.272) 62.688,105.272 62.916,105.5 62.916,108.814 63.502,109.4 U20.14@66.05,109.4
  L4[BOT] w0.2: v1(43.078,90.17) 43.103,90.17 43.827,89.446 44.272,89.446 R117.2@44.31,89.408 43.688,88.786 43.688,82.089 44.127,81.65 R110.2@44.327,81.45 ; v1(44.196,78.308) 44.196,79.954 C149.1@44.15,80 44.15,81.123 R110.2@44.327,81.3 ; v1(57.353,103.657) 60.808,103.657 62.397,105.247 62.632,105.247 v1(62.657,105.272)
"MCU SWCLK": R116.2 U20.76 | length 53.6
  L1 [TOP] w0.2: v1@77.14,110.922 77.114,110.947 77.114,116.129 77.636,116.65 79.683,116.65 79.8,116.767 U20.76@79.8,117.65
  L4[BOT] w0.2: R116.2@44.227,91.1 46.086,91.1 54.345,99.358 71.474,99.358 77.102,104.986 77.102,110.897 v1@77.14,110.934
  other v1: 77.127,110.934
"MCU SWDIO": R115.2 U20.72 | length 50.8
  L1 [TOP] w0.2: v1(79.908,111.506) 80.401,111.506 80.518,111.623 80.518,114.042 80.826,114.35 81.5,114.35 U20.72@81.55,114.4
  L4[BOT] w0.2: R115.2@44.227,93.8 48.221,93.8 54.179,99.758 71.308,99.758 76.702,105.152 76.702,111.119 77.114,111.531 79.883,111.531 v1(79.908,111.506)
"MCU VDDA": C131.1 C133.1 L7.2 U20.21 U20.22 | length 5.7
  L1 [TOP] w0.3: L7.2@64.2,105.365 64.235,105.4 U20.22@66.05,105.4 U20.21@66.05,105.9 67.111,105.9 67.219,105.792 v1(67.246,105.792)
  L4[BOT] w0.3: v1(67.246,105.792) 67.265,105.811 67.292,105.811 67.331,105.85 67.7,105.85 C131.1@68.05,106.2 ; C133.1@68,105 C131.1@68,106.15
MCU_ADC_TEMP1: C92.1 R66.1 U20.15 | length 36.9
  L1 [TOP] w0.2: v1(65.15,108.889) 66.039,108.889 U20.15@66.05,108.9 ; v1@90.424,124.104 v1(90.449,124.13) R66.1@90.449,125.019
  L4[BOT] w0.2: C92.1@65.317,109.093 65.717,109.493 65.834,109.493 65.859,109.518 71.748,109.518 74.32,112.09 74.32,114.787 74.32,114.981 79.38,120.04 89.764,120.04 90.449,120.726 v1(90.449,124.13)
MCU_ADC_TEMP2: C98.1 R72.2 U20.16 | length 48.2
  L1 [TOP] w0.2: v1(65.1,108.128) 65.104,108.128 65.326,108.35 66,108.35 U20.16@66.05,108.4
  L1 [TOP] w0.3: v1(101.704,121.994) 101.731,121.994 101.862,122.125 101.905,122.125 R72.2@101.905,125.108
  L4[BOT] w0.2: C98.1@65.342,107.874 65.742,108.274 66.154,108.274 66.998,109.118 71.487,109.118 71.914,109.118 74.72,111.925 74.72,114.622 74.72,114.815 79.546,119.64 99.35,119.64 v1(101.704,121.994)
MCU_ADC_TEMP3: C91.1 R67.2 U20.17 | length 102
  L1 [TOP] w0.2: U20.17@66.05,107.9 67.028,107.9 67.478,108.35 68.898,108.35 69.266,108.718 72.113,108.718 72.437,109.042 v1(72.492,109.042) ; R67.2@91.719,139.56 v1(91.719,140.818)
  L4[BOT] w0.2: C91.1@65.342,106.629 66.05,106.629 66.167,106.746 66.167,107.722 67.164,108.718 72.113,108.718 72.437,109.042 v1(72.492,109.042) 75.12,111.671 75.12,114.456 75.12,114.649 79.712,119.24 99.676,119.24 102.231,121.795 104.777,121.795 105.918,122.937 105.918,141.12 100.759,146.279 90.348,146.279 88.662,144.592 88.662,142.402 90.097,140.967 91.289,140.967 91.4,140.856 91.681,140.856 v1(91.719,140.818)
MCU_ADC_TEMP4: C100.1 R73.1 U20.18 | length 74.7
  L1 [TOP] w0.2: U20.18@66.05,107.4 67.314,107.4 67.864,107.95 69.28,107.95 69.648,108.318 72.301,108.318 v1(72.319,108.3)
  L1 [TOP] w0.3: v1(103.378,121.361) 105.029,123.012 105.029,139.397 104.853,139.573 R73.1@103.759,139.573
  L4[BOT] w0.2: C100.1@65.393,105.334 65.717,105.658 66.592,105.658 66.802,105.867 66.802,107.772 67.348,108.318 72.301,108.318 v1(72.319,108.3) 72.72,108.701 73.598,108.701 75.52,110.623 75.52,114.483 79.877,118.84 99.841,118.84 102.362,121.361 v1(103.378,121.361)
MCU_ADC_TEMP5: C106.1 R78.2 U20.33 | length 43.1
  L1 [TOP] w0.2: v1(70.485,110.414) 73.482,110.414 74.066,109.83 74.066,106.782 72.772,105.487 71.629,105.487 71.3,105.158 U20.33@71.3,102.15
  L4[BOT] w0.2: C106.1@70.244,110.414 71.958,110.414 73.92,112.376 73.92,114.953 73.92,115.146 79.215,120.44 88.24,120.44 88.837,121.037 88.837,124.415 89.428,125.006 R78.2@90.424,125.006
MCU_ADC_TEMP6: C114.1 R84.1 U20.34 | length 59.7
  L1 [TOP] w0.2: v1(70.434,111.709) 73.22,111.709 74.466,110.462 74.466,106.14 72.796,104.47 71.958,104.47 71.8,104.312 U20.34@71.8,102.15
  L4[BOT] w0.2: C114.1@70.219,111.709 v1(70.434,111.709) 72.593,111.709 73.355,112.471 73.355,115.147 79.049,120.84 87.617,120.84 88.405,121.628 88.405,124.549 89.535,125.679 94.025,125.679 94.513,125.191 94.513,124.181 95.275,123.419 97.307,123.419 98.183,124.294 98.183,125.57 98.8,126.187 101.838,126.187 101.956,126.07 R84.1@101.956,125.095
MCU_ADC_TEMP7: C108.1 R80.1 U20.35 | length 59.2
  L1 [TOP] w0.2: v1(70.51,113.03) 70.536,113.055 72.439,113.055 74.866,110.628 74.866,105.81 72.3,103.244 U20.35@72.3,102.15
  L4[BOT] w0.2: C108.1@70.219,113.055 70.485,113.055 70.517,113.024 72.451,113.024 72.568,113.141 72.568,114.925 78.883,121.24 86.392,121.24 86.678,121.24 88.005,122.567 88.005,140.04 88.122,140.157 90.934,140.157 91.544,139.548 v9(91.694,139.548)
MCU_ADC_TEMP8: C116.1 R85.2 U20.36 | length 74.3
  L1 [TOP] w0.2: v1(70.51,114.402) 71.755,114.402 75.266,110.89 75.266,105.645 72.8,103.178 U20.36@72.8,102.15
  L4[BOT] w0.2: C116.1@70.219,114.402 71.479,114.402 78.718,121.64 86.512,121.64 87.605,122.733 87.605,140.233 87.929,140.557 91.133,140.557 91.508,140.183 94.168,140.183 94.285,140.065 94.285,139.969 94.297,139.956 94.297,138.827 94.415,138.709 97.104,138.709 97.282,138.887 97.301,138.887 97.78,139.366 97.78,139.802 98.187,140.208 99.39,140.208 99.834,139.764 99.834,139.161 100.235,138.76 102.809,138.76 103.635,139.585 R85.2@103.785,139.585
MCU_EF_5_AUX: R15.2 U20.84 | length 67.1
  L1 [TOP] w0.2: U20.84@75.8,117.65 75.805,117.655 75.805,119.435 v1(75.81,119.44)
  L4[BOT] w0.2: v1(44.806,146.025) 45.669,145.161 45.669,137.262 47.009,135.922 76.879,135.922 83.185,129.616 83.185,122.911 82.448,122.174 78.544,122.174 v1(75.81,119.44)
MCU_EF_5_EN: R13.2 U20.85 | length 58.1
  L1 [TOP] w0.2: R13.2@44.778,136.732 44.807,136.703 v1(45.303,136.703) ; v1(75.286,119.482) 75.293,119.474 75.293,117.657 U20.85@75.3,117.65
  L4[BOT] w0.2: v1(45.303,136.703) 46.674,135.331 76.904,135.331 82.6,129.636 82.6,122.891 82.283,122.574 78.378,122.574 v1(75.286,119.482)
MCU_EF_12_AUX: R4.2 U20.38 | length 30.3
  L1 [TOP] w0.2: U20.38@73.8,102.15 73.8,101.498 73.787,101.498 74.355,100.93 74.355,100.923 74.536,100.742 74.536,100.368 v1(74.574,100.33)
  L4[BOT] w0.2: v1(55.067,90.373) 55.067,94.539 57.887,97.358 73.547,97.358 75.537,99.348 75.537,99.679 74.886,100.33 v1(74.574,100.33)
MCU_EXP_CAN_RX: R57.1 U20.70 | length 5.1
  L1 [TOP] w0.2: U20.70@81.55,113.4 83.172,113.4 85.522,115.75 R57.1@85.522,115.9
MCU_EXP_CAN_TX: R56.1 U20.71 | length 6.6
  L1 [TOP] w0.2: U20.71@81.55,113.9 82.814,113.9 82.931,114.017 82.931,115.849 83.532,116.45 83.922,116.45 84.947,117.475 R56.1@85.547,117.475
MCU_EXP_RS485_DE: R52.2 U20.51 | length 5.6
  L1 [TOP] w0.2: U20.51@81.55,103.9 82.511,103.9 v1(82.525,103.886) ; R52.2@85.611,106.858 85.649,106.82 v1(85.649,106.426)
  L4[BOT] w0.2: v1(82.525,103.886) 85.065,106.426 v1(85.649,106.426)
MCU_EXP_RS485_R\E\: R51.2 U20.55 | length 7.6
  L1 [TOP] w0.2: U20.55@81.55,105.9 84.005,105.9 84.76,106.655 84.76,109.855 84.937,110.033 R51.2@85.586,110.033
MCU_EXP_RS485_RX: R50.2 U20.69 | length 4.6
  L1 [TOP] w0.2: U20.69@81.55,112.9 83.899,112.9 85.103,111.696 85.548,111.696 R50.2@85.586,111.658
MCU_EXP_RS485_TX: R54.2 U20.68 | length 13.5
  L1 [TOP] w0.2: U20.68@81.55,112.4 83.67,112.4 85.199,110.871 86.055,110.871 86.589,110.338 86.589,103.774 86.471,103.657 R54.2@85.611,103.657
MCU_EXP_SCL: R45.1 U20.47 | length 11.7
  L1 [TOP] w0.2: U20.47@78.3,102.15 78.35,102.1 78.35,101.36 79.069,100.641 81.451,100.641 84.03,98.063 87.494,98.063 87.694,97.863 R45.1@87.694,97.79
MCU_EXP_SDA: R44.1 U20.48 | length 14.1
  L1 [TOP] w0.2: U20.48@78.8,102.15 78.85,102.1 78.85,101.426 79.235,101.041 81.712,101.041 84.189,98.564 88.152,98.564 88.294,98.422 88.294,96.396 88.189,96.291 R44.1@87.681,96.291
MCU_FRAM_C\S\: R141.2 U20.83 | length 58.7
  L1 [TOP] w0.2: v1(76.302,113.64) U20.83@76.301,117.649
  L4[BOT] w0.2: R141.2@35.179,98.108 35.179,97.282 36.5,95.961 49.816,95.961 54.013,100.158 71.142,100.158 76.302,105.317 v1(76.302,113.64)
MCU_HEATER_PWM1: R58.1 U20.59 | length 45.7
  L1 [TOP] w0.2: R58.1@80.696,148.92 80.797,148.819 81.382,148.819 82.702,147.498 82.702,145.977 85.293,143.386 85.293,121.107 83.769,119.583 v1(83.769,118.389) ; U20.59@81.55,107.9 83.008,107.9 83.795,108.687 v1(83.795,108.737)
  L4[BOT] w0.2: v1(83.769,118.389) 83.769,118.335 83.833,118.272 83.833,108.776 v1(83.795,108.737)
MCU_HEATER_PWM2: R59.1 U20.60 | length 41.3
  L1 [TOP] w0.2: R59.1@80.708,145.212 80.772,145.148 81.191,145.148 84.684,141.656 84.684,121.539 82.652,119.507 v1(82.652,118.364) ; U20.60@81.55,108.4 81.572,108.378 82.604,108.378 v1(82.626,108.356)
  L4[BOT] w0.2: v1(82.626,108.356) 83.395,109.125 83.395,117.621 v1(82.652,118.364)
MCU_HEATER_PWM3: R60.1 U20.61 | length 37
  L1 [TOP] w0.2: R60.1@80.696,141.554 81.305,141.554 84.099,138.76 84.099,121.742 81.94,119.583 v1(81.94,118.364) ; U20.61@81.55,108.9 81.567,108.917 82.616,108.917 v1(82.634,108.934)
  L4[BOT] w0.2: v1(81.94,118.364) 82.995,117.31 82.995,109.295 v1(82.634,108.934)
MCU_HEATER_PWM4: R61.1 U20.62 | length 34.3
  L1 [TOP] w0.2: R61.1@80.696,137.795 81.559,137.795 83.591,135.763 83.591,121.971 81.255,119.634 v1(81.255,118.364) ; v1(80.772,109.407) 80.776,109.404 81.546,109.404 U20.62@81.55,109.4
  L4[BOT] w0.2: v1(80.772,109.407) 80.772,112.045 78.943,113.874 78.943,117.244 80.063,118.364 v1(81.255,118.364)
MCU_IR_LED_PWM: R103.2 R104.2 U20.40 | length 27.9
  L1 [TOP] w0.2: U20.40@74.8,102.15 74.829,102.179 74.829,104.641 v1(74.857,104.67)
  L4[BOT] w0.2: R103.2@57.378,107.633 R104.2@57.379,106.642 v1(57.379,105.842) 57.417,105.804 57.417,105.543 57.534,105.426 61.839,105.426 62.097,105.683 62.853,105.683 63.068,105.468 63.068,104.71 63.473,104.305 66.891,104.305 67.125,104.071 67.125,101.607 68.148,100.584 70.771,100.584 v1(74.857,104.67)
MCU_IRQ_0: J1.35 U20.67 | length 42
  L4[BOT] w0.2: J1.35@79.4,75.4 78.41,76.39 78.41,96.876 78.41,97.372 75.468,100.314 75.468,101.655 78.334,104.521 78.334,107.553 78.749,107.969 81.055,107.969 81.172,108.086 81.172,111.733 81.389,111.95 v1(81.432,111.95)
MCU_IRQ_1: J1.14 U20.66 | length 39.3
  L4[BOT] w0.2: J1.14@79.4,77.4 79.4,96.947 75.895,100.452 75.895,101.498 78.734,104.337 78.734,107.196 79.106,107.569 81.36,107.569 81.572,107.781 81.572,111.107 v1(81.915,111.45)